# Allegro board R8-DEV-V1.0_FINAL.brd (continued)
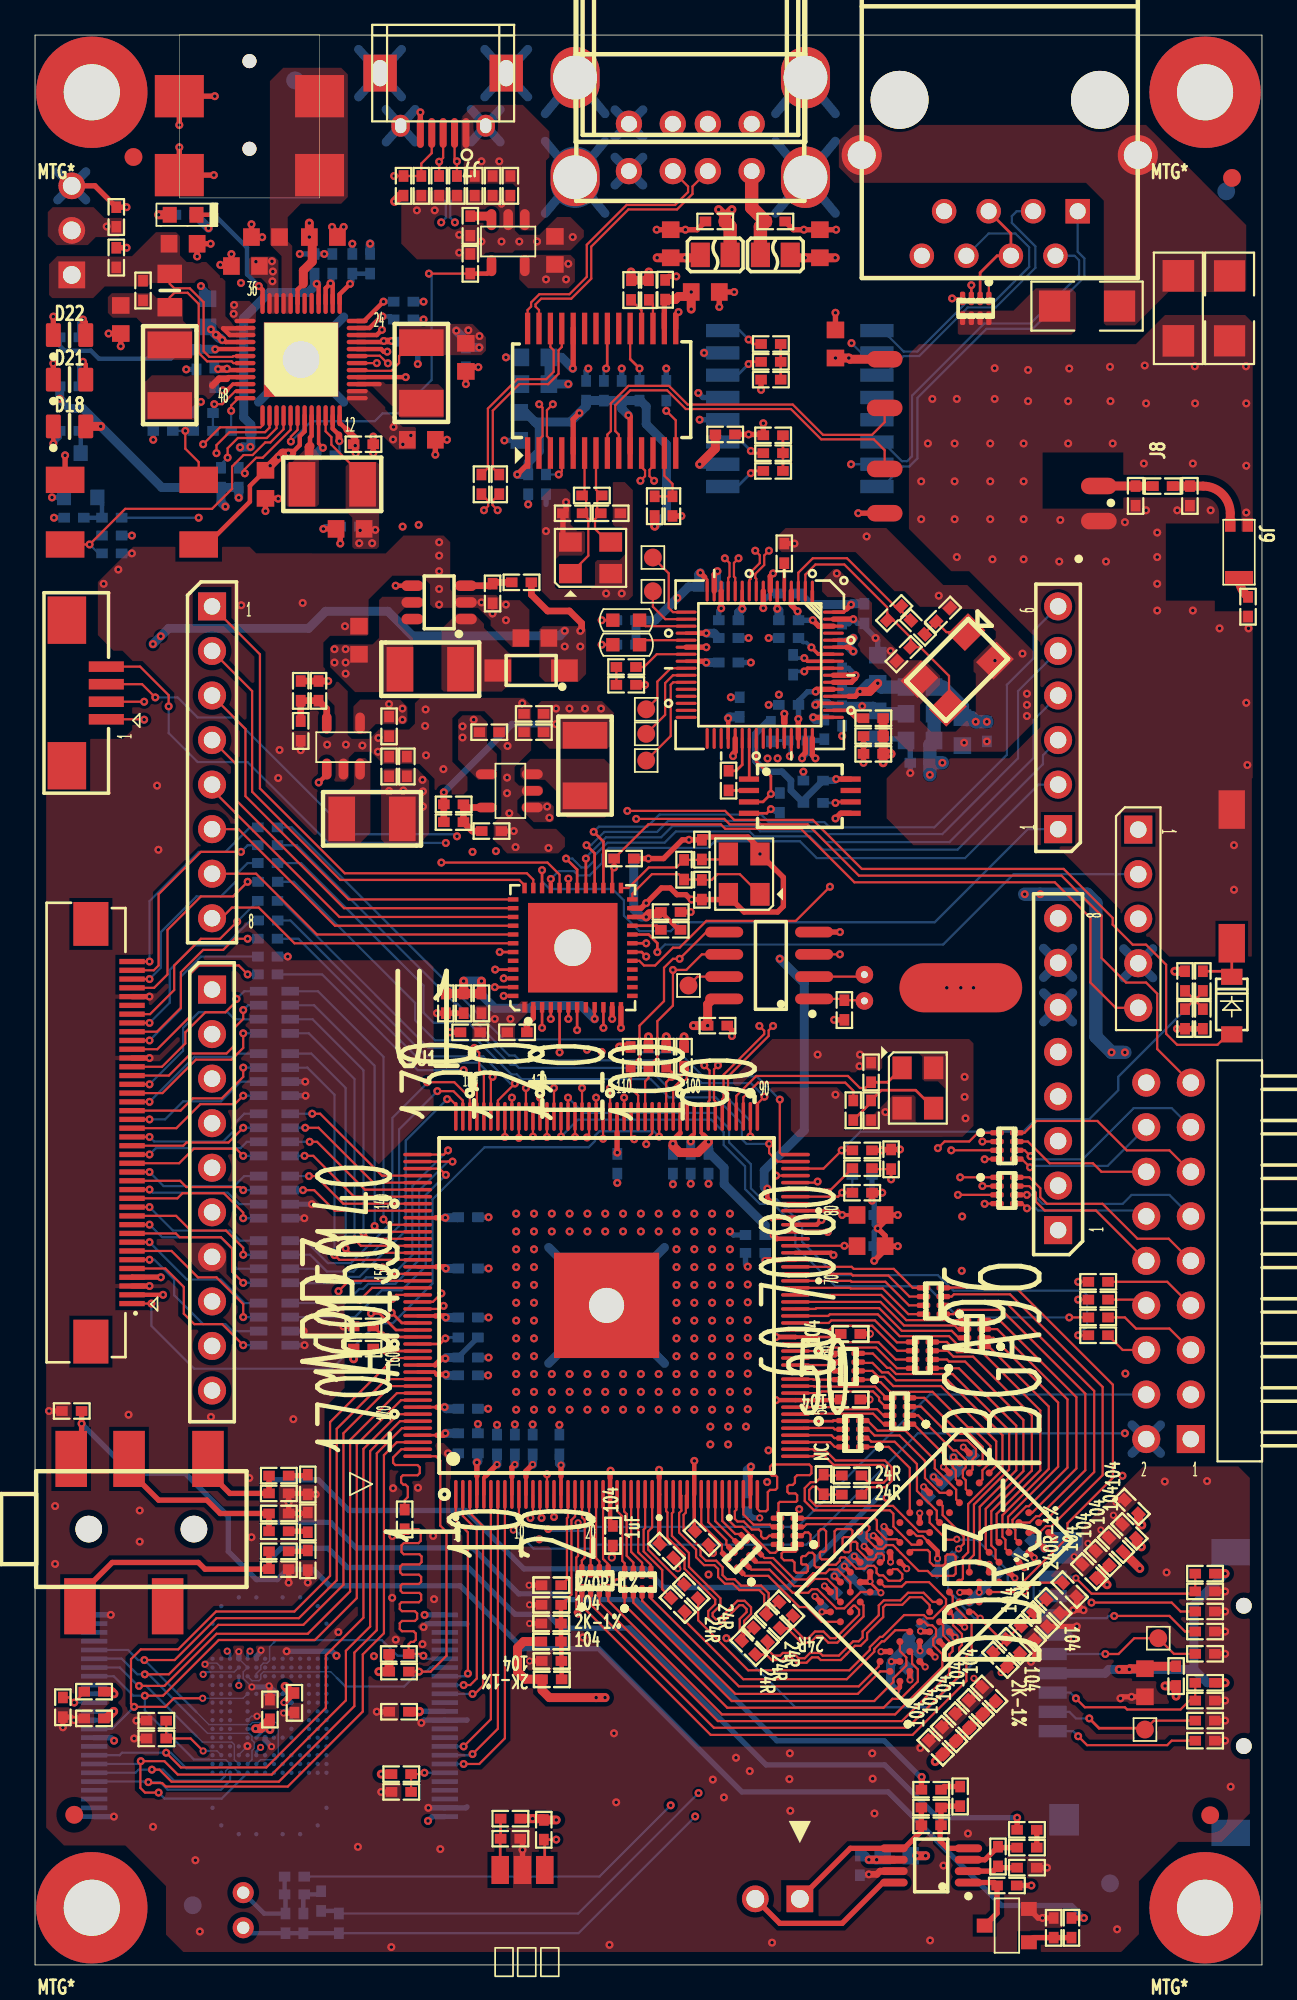
[diagram p0: board, top side]
## Placement (name value [footprint] x y rotation side) (continued)
U33  AXP209  [QFN48]  15.18 91.52 90 top
U34  AP3410/SY8088  [SOT23-5]  17.59 69.43 90 top
U35  SY7152  [SOT23-6]  23.05 77.68 90 top
U36  NAND FLASH X8  [TSOP-48]  13.37 14.21 180 bottom
U37  eMMC-BGA169  [BGA169P0_5B12X16]  13.37 14.21 0 bottom
U38  SY6280  [SOT23-5]  26.99 98.25 270 top
U39  GL850AUSB  [I-SSOP28-0_65A]  32.32 89.75 0 top
U40  IR_MODULE  [IR]  33.08 2.24 180 top
U41  AX88772C or AX88772B  [LQFP64_7X7]  41.34 74.12 270 top
U42  93C66  [TSSOP_8]  43.62 66.63 270 top
U43  MKL16  [QFN48_MKL16]  30.67 58 90 top
U44  LM4890  [MSOP8]  51.12 5.67 90 top
X1  32768  [XCOL-3]  47.31 55.71 270 top
X2  24M-20pF-10PPM  [CRY-D3225]  50.35 49.99 270 top
X3  12M-20pF-10PPM  [CRY-D3225]  31.69 80.22 0 top
X4  12M-20pF-10PPM  [CRY-D3225]  40.45 62.19 90 top
Y1  25M CRYSTAL  [XTAL-5X3_2]  52.6 73.83 225 top

## Library data of the parts
C33-C36 C81 C83 = CAPACITOR_0: signal model: DEFAULT_RESISTOR_224OHM_2_1
C49 C187 C190-C204 C206-C219 C221-C224 C226-C241 C244-C250 C258 C260 C268 C305 C308 C310-C321 EC3 EC4 = CAPACITOR_0
C82 C84-C89 C95 C96 C98-C101 = CAP_0: signal model: DEFAULT_RESISTOR_224OHM_2_1
C90-C94 C102-C106 = CAP_0
C97 = CAP_0: signal model: DEFAULT_RESISTOR_104OHM_2_1
C109 = CAPACITOR_0: signal model: CAPACITOR_0_C0402_NC_NC
C142 = CAPACITOR_0: signal model: DEFAULT_CAPACITOR_4.7e+06pF_2_1
C148 C188 C189 = CAPACITOR_0: signal model: DEFAULT_RESISTOR_104OHM_2_1
C177 C178 = CAPACITOR_0: signal model: DEFAULT_CAPACITOR_1e+07pF_2_1
C179-C186 = CAPACITOR_0: signal model: DEFAULT_CAPACITOR_1e+06pF_2_1
C205 C251 C252 C263 C270 C271 EC1 EC2 = CAPACITOR
C220 C225 = CAPACITOR_1
C242 C243 = CAPACITOR_0: room: NAND
C253 C255 C256 C261 C262 C269 C272-C276 C279-C304 C306 C307 = CAP
C254 C257 C259 = CAPACITOR_0: room: TFCARD&USB&KEY
C264 C266 C267 = CAPACITOR_0: room: SDIOWIFI
C265 = CAP NP_1
C277 C278 = CAP_POL
C309 = CAPACITOR_0: room: MODEM
CON1 = SPEAKER
D1 = LED_0: room: MODEM
D2 = DIODE_SCHOTTKY_0: Tolerance: RichardLC
D3-D15 D20 D23-D26 = 1_1.5KE100A
D16 D17 = LED
D18 D21 D22 = LED_0: User Part Number: LED0805; Tolerance: RichardLC; room: MODEM
D19 = D_0
FB1 FB2 = INDUCTOR_2
J1 = CON3
J2 = CN_2
J3 = RGB_LCD_RTP_CON40
J4 = HEADER 9X2
J5 = SDMMC SLOT_11
J6 = CON4
J7 = USB_MINI_SOCKET
J8 = MINI USB-B_5
J9 = CON3_0
J10 = HEADER 2
J11 = CON10
J12 J15 = CON8
J13 = CON6
J14 = CON5
J16 = HP_JACK_6
L1 L5 = INDUCTOR_0
L2-L4 L6 = INDUCTOR_1
L7 L8 = FB
LB1 LB2 = FB-0805
MIC1 = Micphone
P1 = USB_A_3
Q1 = NPN: room: MODEM
Q2 = NPN
R65 R68 R72-R77 = R1 0805: signal model: DEFAULT_RESISTOR_24OHM_2_1
R71 R181 R182 = R1 0805
R86 R90 = ?_0: signal model: DEFAULT_RESISTOR_20OHM_2_1
R89 R91 = R1 0805: signal model: DEFAULT_RESISTOR_20OHM_2_1
R94 = R: signal model: DEFAULT_RESISTOR_2.4OHM_2_1
R95-R106 R108-R120 R124 R125 R131-R134 R136 R138 R140 R142-R147 R153 R154 R156-R177 R179 R180 R183 R187-R198 = R
R121 = R: signal model: DEFAULT_RESISTOR_2000OHM_2_1
R122 R123 = R: signal model: DEFAULT_RESISTOR_0.001OHM_2_1
R126 = R: signal model: DEFAULT_RESISTOR_2200OHM_2_1
R127-R129 = RESISTOR_0: signal model: DEFAULT_RESISTOR_2200OHM_2_1
R130 R135 R137 R139 R141 = RESISTOR_0
R148 R149 = R: room: TFCARD&USB&KEY
R150-R152 R155 = RESISTOR
R178 R184-R186 = RESISTOR: room: MODEM
RN1 RN3-RN6 RN15-RN19 = R-PACK4_1: signal model: R_PACK4_1_RCA50-33R_4
RN20 RN22 = R-PACK4_1
RN21 RN23-RN27 = R-PACK4_1: User Part Number: pn; Tolerance: RichardLC
RN28 = RN
SW1-SW3 = KEY-2PIN_0: User Part Number: KEY-2
T1 = H1102NL
T2 = RJ-45
TP1-TP8 = T_POINT_R
U1 = eLQFP176_0: Tolerance: RichardLC; signal model: AW_DRAM_CONTROLLER
U29 = DDR3_0: Tolerance: RichardLC; signal model: H5TQ2G63BFR
U31 = PCF8563: User Part Number: pn; Tolerance: RichardLC
U32 U34 = RT9293B_0
U33 = AW1612_0
U35 = RT9266PE_3: Tolerance: RichardLC
U36 = NAND_FLASH_X8
U37 = eMMC-BGA169: User Part Number: pn; Tolerance: RichardLC
U38 = RT9266PE_2
U39 = GL850_SSOP28
U40 = IR_Module_0
U41 = AX88772B_LQFP64
U42 = 93c66_0
U43 = MKL16_QFN48
U44 = LY8006: User Part Number: pn; Tolerance: RichardLC
X1 = CRYSTAL_SMD3: Tolerance: RichardLC
X2 = CRYSTAL-4_3
X3 X4 = CRYSTAL-4_0
Y1 = CRYSTAL4/SM

## Footprints (pads in the part's own frame, mm; a bottom-side part is the same pattern mirrored in y, then rotated)
ANTENNAPACKAGE
  rect 0.762x0.6 smd: 1(0,0) 2(0,1)
  rect 0.762x1.6 smd: 3(3,0.5)
BGA169P0_5B12X16
  round 0.25 smd: A4(-1.75,6.75) A6(-0.75,6.75) A9(0.75,6.75) A11(1.75,6.75) AA1(-3.25,-3.25) AA2(-2.75,-3.25) AA3(-2.25,-3.25) AA4(-1.75,-3.25) AA5(-1.25,-3.25) AA6(-0.75,-3.25) AA7(-0.25,-3.25) AA8(0.25,-3.25) AA9(0.75,-3.25) AA10(1.25,-3.25) AA11(1.75,-3.25) AA12(2.25,-3.25) AA13(2.75,-3.25) AA14(3.25,-3.25) AE1(-3.25,-5.25) AE14(3.25,-5.25) AG2(-2.75,-6.25) AG13(2.75,-6.25) AH4(-1.75,-6.75) AH6(-0.75,-6.75) AH9(0.75,-6.75) AH11(1.75,-6.75) B2(-2.75,6.25) B13(2.75,6.25) D1(-3.25,5.25) D14(3.25,5.25) H1(-3.25,3.25) H2(-2.75,3.25) H3(-2.25,3.25) H4(-1.75,3.25) H5(-1.25,3.25) H6(-0.75,3.25) H7(-0.25,3.25) H8(0.25,3.25) H9(0.75,3.25) H10(1.25,3.25) H11(1.75,3.25) H12(2.25,3.25) H13(2.75,3.25) H14(3.25,3.25) J1(-3.25,2.75) J2(-2.75,2.75) J3(-2.25,2.75) J4(-1.75,2.75) J5(-1.25,2.75) J6(-0.75,2.75) J7(-0.25,2.75) J8(0.25,2.75) J9(0.75,2.75) J10(1.25,2.75) J11(1.75,2.75) J12(2.25,2.75) J13(2.75,2.75) J14(3.25,2.75) K1(-3.25,2.25) K2(-2.75,2.25) K3(-2.25,2.25) K4(-1.75,2.25) K5(-1.25,2.25) K6(-0.75,2.25) K7(-0.25,2.25) K8(0.25,2.25) K9(0.75,2.25) K10(1.25,2.25) K11(1.75,2.25) K12(2.25,2.25) K13(2.75,2.25) K14(3.25,2.25) L1(-3.25,1.75) L2(-2.75,1.75) L3(-2.25,1.75) L4(-1.75,1.75) L12(2.25,1.75) L13(2.75,1.75) L14(3.25,1.75) M1(-3.25,1.25) M2(-2.75,1.25) M3(-2.25,1.25) M5(-1.25,1.25) M6(-0.75,1.25) M7(-0.25,1.25) M8(0.25,1.25) M9(0.75,1.25) M10(1.25,1.25) M12(2.25,1.25) M13(2.75,1.25) M14(3.25,1.25) N1(-3.25,0.75) N2(-2.75,0.75) N3(-2.25,0.75) N5(-1.25,0.75) N10(1.25,0.75) N12(2.25,0.75) N13(2.75,0.75) N14(3.25,0.75) P1(-3.25,0.25) P2(-2.75,0.25) P3(-2.25,0.25) P5(-1.25,0.25) P10(1.25,0.25) P12(2.25,0.25) P13(2.75,0.25) P14(3.25,0.25) R1(-3.25,-0.25) R2(-2.75,-0.25) R3(-2.25,-0.25) R5(-1.25,-0.25) R10(1.25,-0.25) R12(2.25,-0.25) R13(2.75,-0.25) R14(3.25,-0.25) T1(-3.25,-0.75) T2(-2.75,-0.75) T3(-2.25,-0.75) T5(-1.25,-0.75) T10(1.25,-0.75) T12(2.25,-0.75) T13(2.75,-0.75) T14(3.25,-0.75) U1(-3.25,-1.25) U2(-2.75,-1.25) U3(-2.25,-1.25) U5(-1.25,-1.25) U6(-0.75,-1.25) U7(-0.25,-1.25) U8(0.25,-1.25) U9(0.75,-1.25) U10(1.25,-1.25) U12(2.25,-1.25) U13(2.75,-1.25) U14(3.25,-1.25) V1(-3.25,-1.75) V2(-2.75,-1.75) V3(-2.25,-1.75) V12(2.25,-1.75) V13(2.75,-1.75) V14(3.25,-1.75) W1(-3.25,-2.25) W2(-2.75,-2.25) W3(-2.25,-2.25) W4(-1.75,-2.25) W5(-1.25,-2.25) W6(-0.75,-2.25) W7(-0.25,-2.25) W8(0.25,-2.25) W9(0.75,-2.25) W10(1.25,-2.25) W11(1.75,-2.25) W12(2.25,-2.25) W13(2.75,-2.25) W14(3.25,-2.25) Y1(-3.25,-2.75) Y2(-2.75,-2.75) Y3(-2.25,-2.75) Y4(-1.75,-2.75) Y5(-1.25,-2.75) Y6(-0.75,-2.75) Y7(-0.25,-2.75) Y8(0.25,-2.75) Y9(0.75,-2.75) Y10(1.25,-2.75) Y11(1.75,-2.75) Y12(2.25,-2.75) Y13(2.75,-2.75) Y14(3.25,-2.75)
C0402
  rect 0.66x0.56 smd: 1(-0.56,0) 2(0.56,0)
C0603
  rect 0.95x1 smd: 1(-0.8,0) 2(0.8,0)
C1206
  rect 1.78x1.78 smd: 1(-1.854,0) 2(1.854,0)
CD32
  rect 1.524x2.54 smd: 1(-1.727,0) 2(1.727,0)
CON2
  rect 1.524x1.524 hole 1.016: 1(2.54,0)
  round 1.524 hole 1.016: 2(0,0)
CON3
  rect 1.524x1.524 hole 1.016: 1(5.08,0)
  round 1.524 hole 1.016: 2(2.54,0) 3(0,0)
CRY-D3225
  rect 1.3x1.1 smd: 1(-1.15,-0.9) 2(1.15,-0.9) 3(1.15,0.9) 4(-1.15,0.9)
DC-0509
  round 0.8 hole 0.8: 1(1.5,0) 2(6.5,0)
  rect 2.413x2.794 smd: 3(3.5,4) 4(8,4) 5(3.5,-4) 6(8,-4)
FBGA96C80P9X13
  round 0.4 smd: A1(-3.2,6) A2(-2.4,6) A3(-1.6,6) A7(1.6,6) A8(2.4,6) A9(3.2,6) B1(-3.2,5.2) B2(-2.4,5.2) B3(-1.6,5.2) B7(1.6,5.2) B8(2.4,5.2) B9(3.2,5.2) C1(-3.2,4.4) C2(-2.4,4.4) C3(-1.6,4.4) C7(1.6,4.4) C8(2.4,4.4) C9(3.2,4.4) D1(-3.2,3.6) D2(-2.4,3.6) D3(-1.6,3.6) D7(1.6,3.6) D8(2.4,3.6) D9(3.2,3.6) E1(-3.2,2.8) E2(-2.4,2.8) E3(-1.6,2.8) E7(1.6,2.8) E8(2.4,2.8) E9(3.2,2.8) F1(-3.2,2) F2(-2.4,2) F3(-1.6,2) F7(1.6,2) F8(2.4,2) F9(3.2,2) G1(-3.2,1.2) G2(-2.4,1.2) G3(-1.6,1.2) G7(1.6,1.2) G8(2.4,1.2) G9(3.2,1.2) H1(-3.2,0.4) H2(-2.4,0.4) H3(-1.6,0.4) H7(1.6,0.4) H8(2.4,0.4) H9(3.2,0.4) J1(-3.2,-0.4) J2(-2.4,-0.4) J3(-1.6,-0.4) J7(1.6,-0.4) J8(2.4,-0.4) J9(3.2,-0.4) K1(-3.2,-1.2) K2(-2.4,-1.2) K3(-1.6,-1.2) K7(1.6,-1.2) K8(2.4,-1.2) K9(3.2,-1.2) L1(-3.2,-2) L2(-2.4,-2) L3(-1.6,-2) L7(1.6,-2) L8(2.4,-2) L9(3.2,-2) M1(-3.2,-2.8) M2(-2.4,-2.8) M3(-1.6,-2.8) M7(1.6,-2.8) M8(2.4,-2.8) M9(3.2,-2.8) N1(-3.2,-3.6) N2(-2.4,-3.6) N3(-1.6,-3.6) N7(1.6,-3.6) N8(2.4,-3.6) N9(3.2,-3.6) P1(-3.2,-4.4) P2(-2.4,-4.4) P3(-1.6,-4.4) P7(1.6,-4.4) P8(2.4,-4.4) P9(3.2,-4.4) R1(-3.2,-5.2) R2(-2.4,-5.2) R3(-1.6,-5.2) R7(1.6,-5.2) R8(2.4,-5.2) R9(3.2,-5.2) T1(-3.2,-6) T2(-2.4,-6) T3(-1.6,-6) T7(1.6,-6) T8(2.4,-6) T9(3.2,-6)
FPC4
  rect 2.7x2.2 smd: (-4.15,-2.25) (4.15,-2.25)
  rect 0.6x2 smd: 1(1.5,0) 2(0.5,0) 3(-0.5,0) 4(-1.5,0)
FPC40
  rect 2.5x2 smd: (-11.919,-0.327) (11.895,-0.327)
  rect 0.3x1.45 smd: 1(-9.75,-2.675) 2(-9.25,-2.675) 3(-8.75,-2.675) 4(-8.25,-2.675) 5(-7.75,-2.675) 6(-7.25,-2.675) 7(-6.75,-2.675) 8(-6.25,-2.675) 9(-5.75,-2.675) 10(-5.25,-2.675) 11(-4.75,-2.675) 12(-4.25,-2.675) 13(-3.75,-2.675) 14(-3.25,-2.675) 15(-2.75,-2.675) 16(-2.25,-2.675) 17(-1.75,-2.675) 18(-1.25,-2.675) 19(-0.75,-2.675) 20(-0.25,-2.675) 21(0.25,-2.675) 22(0.75,-2.675) 23(1.25,-2.675) 24(1.75,-2.675) 25(2.25,-2.675) 26(2.75,-2.675) 27(3.25,-2.675) 28(3.75,-2.675) 29(4.25,-2.675) 30(4.75,-2.675) 31(5.25,-2.675) 32(5.75,-2.675) 33(6.25,-2.675) 34(6.75,-2.675) 35(7.25,-2.675) 36(7.75,-2.675) 37(8.25,-2.675) 38(8.75,-2.675) 39(9.25,-2.675) 40(9.75,-2.675)
GXK-12USB
  round 1.5 hole 0.9: 1(-3.5,0) 2(-3.5,-2.7) 3(-1,0) 4(-1,-2.7) 5(1,0) 6(1,-2.7) 7(3.5,0) 8(3.5,-2.7)
  oval 2.8x3.5 hole 2.5: 9(-6.57,0.35) 10(-6.57,-5.33) 12(6.57,-5.33)
  oval 2.8x3.3 hole 2.5: 11(6.57,0.35)
H1102NL
  rect 0.76x1.9 smd: 1(-4.445,-4.4) 2(-3.175,-4.4) 3(-1.905,-4.4) 4(-0.635,-4.4) 5(0.635,-4.4) 6(1.905,-4.4) 7(3.175,-4.4) 8(4.445,-4.4) 9(4.445,4.4) 10(3.175,4.4) 11(1.905,4.4) 12(0.635,4.4) 13(-0.635,4.4) 14(-1.905,4.4) 15(-3.175,4.4) 16(-4.445,4.4)
HEARD1X5
  rect 1.6x1.6 hole 0.94: 1(0,0)
  round 1.6 hole 0.94: 2(2.54,0) 3(5.08,0) 4(7.62,0) 5(10.16,0)
HEARD1X6
  rect 1.6x1.6 hole 0.94: 1(0,0)
  round 1.6 hole 0.94: 2(2.54,0) 3(5.08,0) 4(7.62,0) 5(10.16,0) 6(12.7,0)
HEARD1X8
  rect 1.6x1.6 hole 0.94: 1(0,0)
  round 1.6 hole 0.94: 2(2.54,0) 3(5.08,0) 4(7.62,0) 5(10.16,0) 6(12.7,0) 7(15.24,0) 8(17.78,0)
HEARD1X10
  rect 1.6x1.6 hole 0.94: 1(0,0)
  round 1.6 hole 0.94: 2(2.54,0) 3(5.08,0) 4(7.62,0) 5(10.16,0) 6(12.7,0) 7(15.24,0) 8(17.78,0) 9(20.32,0) 10(22.86,0)
HEARD2X9
  rect 1.6x1.6 hole 0.94: 1(0,0)
  round 1.6 hole 0.94: 2(0,-2.54) 3(-2.54,0) 4(-2.54,-2.54) 5(-5.08,0) 6(-5.08,-2.54) 7(-7.62,0) 8(-7.62,-2.54) 9(-10.16,0) 10(-10.16,-2.54) 11(-12.7,0) 12(-12.7,-2.54) 13(-15.24,0) 14(-15.24,-2.54) 15(-17.78,0) 16(-17.78,-2.54) 17(-20.32,0) 18(-20.32,-2.54)
I-SSOP28-0_65A
  rect 0.3x1.8 smd: 1(-4.225,-3.55) 2(-3.575,-3.55) 3(-2.925,-3.55) 4(-2.275,-3.55) 5(-1.625,-3.55) 6(-0.975,-3.55) 7(-0.325,-3.55) 8(0.325,-3.55) 9(0.975,-3.55) 10(1.625,-3.55) 11(2.275,-3.55) 12(2.925,-3.55) 13(3.575,-3.55) 14(4.225,-3.55) 15(4.225,3.55) 16(3.575,3.55) 17(2.925,3.55) 18(2.275,3.55) 19(1.625,3.55) 20(0.975,3.55) 21(0.325,3.55) 22(-0.325,3.55) 23(-0.975,3.55) 24(-1.625,3.55) 25(-2.275,3.55) 26(-2.925,3.55) 27(-3.575,3.55) 28(-4.225,3.55)
IR
  rect 1x1.6 smd: 1(4.01,-3.17) 2(5.28,-3.17) 3(6.55,-3.17)
KEY-2
  rect 1.501x2.2 smd: 1(0,8.255) 2(0,0.635)
L0603
  rect 0.95x1 smd: 1(-0.8,0) 2(0.8,0)
LBS-0805
  rect 1.092x1.397 smd: 1(-0.851,0) 2(0.851,0)
LED0603
  rect 0.8x0.9 smd: 1(-0.762,0) 2(0.762,0)
LED0805
  custom 0.85x1.35 smd: 1(0.925,0) 2(-0.925,0)
LQFP64_7X7
  oval 1.2x0.18 smd: 1(-4.2,3) 2(-4.2,2.6) 3(-4.2,2.2) 4(-4.2,1.8) 5(-4.2,1.4) 6(-4.2,1) 7(-4.2,0.6) 8(-4.2,0.2) 9(-4.2,-0.2) 10(-4.2,-0.6) 11(-4.2,-1) 12(-4.2,-1.4) 13(-4.2,-1.8) 14(-4.2,-2.2) 15(-4.2,-2.6) 16(-4.2,-3) 33(4.2,-3) 34(4.2,-2.6) 35(4.2,-2.2) 36(4.2,-1.8) 37(4.2,-1.4) 38(4.2,-1) 39(4.2,-0.6) 40(4.2,-0.2) 41(4.2,0.2) 42(4.2,0.6) 43(4.2,1) 44(4.2,1.4) 45(4.2,1.8) 46(4.2,2.2) 47(4.2,2.6) 48(4.2,3)
  oval 0.18x1.2 smd: 17(-3,-4.2) 18(-2.6,-4.2) 19(-2.2,-4.2) 20(-1.8,-4.2) 21(-1.4,-4.2) 22(-1,-4.2) 23(-0.6,-4.2) 24(-0.2,-4.2) 25(0.2,-4.2) 26(0.6,-4.2) 27(1,-4.2) 28(1.4,-4.2) 29(1.8,-4.2) 30(2.2,-4.2) 31(2.6,-4.2) 32(3,-4.2) 49(3,4.2) 50(2.6,4.2) 51(2.2,4.2) 52(1.8,4.2) 53(1.4,4.2) 54(1,4.2) 55(0.6,4.2) 56(0.2,4.2) 57(-0.2,4.2) 58(-0.6,4.2) 59(-1,4.2) 60(-1.4,4.2) 61(-1.8,4.2) 62(-2.2,4.2) 63(-2.6,4.2) 64(-3,4.2)
MIC_600X270
  round 1.2 hole 0.7: 1(1.75,0) 2(-0.25,0)
MICROSD_SLOT
  rect 1.501x2.2 smd: (-8,0.75) (8,0.75)
  round 0.9 hole 0.9 unplated: (-4.95,0) (3.05,0)
  rect 1.8x1.7 smd: (7.25,10.25) 10(-8.25,10)
  rect 0.7x1.6 smd: 1(2.2,10.9) 2(1.1,10.9) 3(0,10.9) 4(-1.1,10.9) 5(-2.2,10.9) 6(-3.3,10.9) 7(-4.4,10.9) 8(-5.5,10.9) 9(-6.6,10.9)
MSOP8
  oval 0.45x1.56 smd: 1(-0.975,-2.123) 2(-0.325,-2.123) 3(0.325,-2.123) 4(0.975,-2.123) 5(0.975,2.123) 6(0.325,2.123) 7(-0.325,2.123) 8(-0.975,2.123)
PJ327F
  round 1.52 hole 1.6 unplated: (3,0) (9,0)
  rect 1.8x3.2 smd: 1(2.5,-4.4) 2(5.3,4) 3(7.5,-4.4) 4(9.8,4) 5(2,4)
QFN48
  oval 1.2x0.25 smd: 1(-3.2,2.2) 2(-3.2,1.801) 3(-3.2,1.399) 4(-3.2,1.001) 5(-3.2,0.599) 6(-3.2,0.201) 7(-3.2,-0.201) 8(-3.2,-0.599) 9(-3.2,-1.001) 10(-3.2,-1.399) 11(-3.2,-1.801) 12(-3.2,-2.2) 25(3.2,-2.2) 26(3.2,-1.801) 27(3.2,-1.399) 28(3.2,-1.001) 29(3.2,-0.599) 30(3.2,-0.201) 31(3.2,0.201) 32(3.2,0.599) 33(3.2,1.001) 34(3.2,1.399) 35(3.2,1.801) 36(3.2,2.2)
  oval 0.25x1.2 smd: 13(-2.2,-3.2) 14(-1.801,-3.2) 15(-1.399,-3.2) 16(-1.001,-3.2) 17(-0.599,-3.2) 18(-0.201,-3.2) 19(0.201,-3.2) 20(0.599,-3.2) 21(1.001,-3.2) 22(1.399,-3.2) 23(1.801,-3.2) 24(2.2,-3.2) 37(2.2,3.2) 38(1.801,3.2) 39(1.399,3.2) 40(1.001,3.2) 41(0.599,3.2) 42(0.201,3.2) 43(-0.201,3.2) 44(-0.599,3.2) 45(-1.001,3.2) 46(-1.399,3.2) 47(-1.801,3.2) 48(-2.2,3.2)
  rect 4.25x4.25 hole 2.1: 49(0,0)
QFN48_MKL16
  rect 5.1x5.1 hole 2.1: (0,0)
  rect 0.6x0.25 smd: 1(-3.4,2.75) 2(-3.4,2.25) 3(-3.4,1.75) 4(-3.4,1.25) 5(-3.4,0.75) 6(-3.4,0.25) 7(-3.4,-0.25) 8(-3.4,-0.75) 9(-3.4,-1.25) 10(-3.4,-1.75) 11(-3.4,-2.25) 12(-3.4,-2.75) 25(3.4,-2.75) 26(3.4,-2.25) 27(3.4,-1.75) 28(3.4,-1.25) 29(3.4,-0.75) 30(3.4,-0.25) 31(3.4,0.25) 32(3.4,0.75) 33(3.4,1.25) 34(3.4,1.75) 35(3.4,2.25) 36(3.4,2.75)
  rect 0.25x0.6 smd: 13(-2.75,-3.4) 14(-2.25,-3.4) 15(-1.75,-3.4) 16(-1.25,-3.4) 17(-0.75,-3.4) 18(-0.25,-3.4) 19(0.25,-3.4) 20(0.75,-3.4) 21(1.25,-3.4) 22(1.75,-3.4) 23(2.25,-3.4) 24(2.75,-3.4) 37(2.75,3.4) 38(2.25,3.4) 39(1.75,3.4) 40(1.25,3.4) 41(0.75,3.4) 42(0.25,3.4) 43(-0.25,3.4) 44(-0.75,3.4) 45(-1.25,3.4) 46(-1.75,3.4) 47(-2.25,3.4) 48(-2.75,3.4)
R0402
  rect 0.66x0.56 smd: 1(-0.56,0) 2(0.56,0)
R0603
  rect 0.762x0.762 smd: 1(-0.762,0) 2(0.762,0)
R0805
  rect 1.05x1.4 smd: 1(-0.95,0) 2(0.95,0)
R1206
  rect 1.8x1.8 smd: 1(-1.854,0) 2(1.854,0)
RCA50-8
  custom 0.77x0.3 smd: 1(-0.565,0.75) 2(-0.565,0.25) 3(-0.565,-0.25) 4(-0.565,-0.75) 5(0.565,-0.75) 6(0.565,-0.25) 7(0.565,0.25) 8(0.565,0.75)
RCA80-8
  rect 1x0.5 smd: 1(-0.9,1.2) 2(-0.9,0.4) 3(-0.9,-0.4) 4(-0.9,-1.2) 5(0.9,-1.2) 6(0.9,-0.4) 7(0.9,0.4) 8(0.9,1.2)
RJ45-A
  round 3.302 hole 3.302 unplated: (-5.715,0) (5.715,0)
  rect 1.397x1.397 hole 0.914: 1(4.445,-6.35)
  round 1.397 hole 0.914: 2(3.175,-8.89) 3(1.905,-6.35) 4(0.635,-8.89) 5(-0.635,-6.35) 6(-1.905,-8.89) 7(-3.175,-6.35) 8(-4.445,-8.89)
  round 2.286 hole 1.6: 9(-7.875,-3.15) 10(7.875,-3.15)
SO8N
  oval 0.61x2.17 smd: 1(-1.905,-2.466) 2(-0.635,-2.466) 3(0.635,-2.466) 4(1.905,-2.466) 5(1.905,2.665) 6(0.635,2.665) 7(-0.635,2.665) 8(-1.905,2.665)
SOD123
  rect 1.524x1.27 smd: 1(4.399,0.201) 2(0.599,0.201)
SOD-123
  rect 0.92x1.22 smd: 1(-1.64,0) 2(1.64,0)
SOP6P2_00B12_96X_22
  oval 0.94x2.032 smd: 1(-2.026,-6.108) 2(-4.026,-6.108) 3(-1.055,6.109) 4(2.423,6.109) 5(5.201,6.109) 6(-3.577,6.109)
SOT23-5
  oval 1.2x0.55 smd: 1(-1.247,0.95) 2(-1.247,0) 3(-1.247,-0.95) 4(1.374,-0.95) 5(1.374,0.95)
SOT23-6
  oval 0.6x1.25 smd: 1(-0.95,-1.524) 2(0,-1.524) 3(0.95,-1.524) 4(0.95,1.524) 5(0,1.524) 6(-0.95,1.524)
SOT-23
  rect 0.9x0.8 smd: 1(-1.255,0.95) 2(-1.255,-0.95) 3(1.27,0)
TP_SMD
  round 1.016 smd: 1(0,0)
TQFP177P0_4
  oval 1.65x0.2 smd: 1(-10.775,8.6) 2(-10.775,8.2) 3(-10.775,7.8) 4(-10.775,7.4) 5(-10.775,7) 6(-10.775,6.6) 7(-10.775,6.2) 8(-10.775,5.8) 9(-10.775,5.4) 10(-10.775,5) 11(-10.775,4.6) 12(-10.775,4.2) 13(-10.775,3.8) 14(-10.775,3.4) 15(-10.775,3) 16(-10.775,2.6) 17(-10.775,2.2) 18(-10.775,1.8) 19(-10.775,1.4) 20(-10.775,1) 21(-10.775,0.6) 22(-10.775,0.2) 23(-10.775,-0.2) 24(-10.775,-0.6) 25(-10.775,-1) 26(-10.775,-1.4) 27(-10.775,-1.8) 28(-10.775,-2.2) 29(-10.775,-2.6) 30(-10.775,-3) 31(-10.775,-3.4) 32(-10.775,-3.8) 33(-10.775,-4.2) 34(-10.775,-4.6) 35(-10.775,-5) 36(-10.775,-5.4) 37(-10.775,-5.8) 38(-10.775,-6.2) 39(-10.775,-6.6) 40(-10.775,-7) 41(-10.775,-7.4) 42(-10.775,-7.8) 43(-10.775,-8.2) 44(-10.775,-8.6) 89(10.775,-8.6) 90(10.775,-8.2) 91(10.775,-7.8) 92(10.775,-7.4) 93(10.775,-7) 94(10.775,-6.6) 95(10.775,-6.2) 96(10.775,-5.8) 97(10.775,-5.4) 98(10.775,-5) 99(10.775,-4.6) 100(10.775,-4.2) 101(10.775,-3.8) 102(10.775,-3.4) 103(10.775,-3) 104(10.775,-2.6) 105(10.775,-2.2) 106(10.775,-1.8) 107(10.775,-1.4) 108(10.775,-1) 109(10.775,-0.6) 110(10.775,-0.2) 111(10.775,0.2) 112(10.775,0.6) 113(10.775,1) 114(10.775,1.4) 115(10.775,1.8) 116(10.775,2.2) 117(10.775,2.6) 118(10.775,3) 119(10.775,3.4) 120(10.775,3.8) 121(10.775,4.2) 122(10.775,4.6) 123(10.775,5) 124(10.775,5.4) 125(10.775,5.8) 126(10.775,6.2) 127(10.775,6.6) 128(10.775,7) 129(10.775,7.4) 130(10.775,7.8) 131(10.775,8.2) 132(10.775,8.6)
  oval 0.2x1.65 smd: 45(-8.6,-10.775) 46(-8.2,-10.775) 47(-7.8,-10.775) 48(-7.4,-10.775) 49(-7,-10.775) 50(-6.6,-10.775) 51(-6.2,-10.775) 52(-5.8,-10.775) 53(-5.4,-10.775) 54(-5,-10.775) 55(-4.6,-10.775) 56(-4.2,-10.775) 57(-3.8,-10.775) 58(-3.4,-10.775) 59(-3,-10.775) 60(-2.6,-10.775) 61(-2.2,-10.775) 62(-1.8,-10.775) 63(-1.4,-10.775) 64(-1,-10.775) 65(-0.6,-10.775) 66(-0.2,-10.775) 67(0.2,-10.775) 68(0.6,-10.775) 69(1,-10.775) 70(1.4,-10.775) 71(1.8,-10.775) 72(2.2,-10.775) 73(2.6,-10.775) 74(3,-10.775) 75(3.4,-10.775) 76(3.8,-10.775) 77(4.2,-10.775) 78(4.6,-10.775) 79(5,-10.775) 80(5.4,-10.775) 81(5.8,-10.775) 82(6.2,-10.775) 83(6.6,-10.775) 84(7,-10.775) 85(7.4,-10.775) 86(7.8,-10.775) 87(8.2,-10.775) 88(8.6,-10.775) 133(8.6,10.775) 134(8.2,10.775) 135(7.8,10.775) 136(7.4,10.775) 137(7,10.775) 138(6.6,10.775) 139(6.2,10.775) 140(5.8,10.775) 141(5.4,10.775) 142(5,10.775) 143(4.6,10.775) 144(4.2,10.775) 145(3.8,10.775) 146(3.4,10.775) 147(3,10.775) 148(2.6,10.775) 149(2.2,10.775) 150(1.8,10.775) 151(1.4,10.775) 152(1,10.775) 153(0.6,10.775) 154(0.2,10.775) 155(-0.2,10.775) 156(-0.6,10.775) 157(-1,10.775) 158(-1.4,10.775) 159(-1.8,10.775) 160(-2.2,10.775) 161(-2.6,10.775) 162(-3,10.775) 163(-3.4,10.775) 164(-3.8,10.775) 165(-4.2,10.775) 166(-4.6,10.775) 167(-5,10.775) 168(-5.4,10.775) 169(-5.8,10.775) 170(-6.2,10.775) 171(-6.6,10.775) 172(-7,10.775) 173(-7.4,10.775) 174(-7.8,10.775) 175(-8.2,10.775) 176(-8.6,10.775)
  rect 6x6 hole 2: 177(0,0)
TSOP-48
  rect 1.5x0.27 smd: 1(-10,5.75) 2(-10,5.25) 3(-10,4.75) 4(-10,4.25) 5(-10,3.75) 6(-10,3.25) 7(-10,2.75) 8(-10,2.25) 9(-10,1.75) 10(-10,1.25) 11(-10,0.75) 12(-10,0.25) 13(-10,-0.25) 14(-10,-0.75) 15(-10,-1.25) 16(-10,-1.75) 17(-10,-2.25) 18(-10,-2.75) 19(-10,-3.25) 20(-10,-3.75) 21(-10,-4.25) 22(-10,-4.75) 23(-10,-5.25) 24(-10,-5.75) 25(10,-5.75) 26(10,-5.25) 27(10,-4.75) 28(10,-4.25) 29(10,-3.75) 30(10,-3.25) 31(10,-2.75) 32(10,-2.25) 33(10,-1.75) 34(10,-1.25) 35(10,-0.75) 36(10,-0.25) 37(10,0.25) 38(10,0.75) 39(10,1.25) 40(10,1.75) 41(10,2.25) 42(10,2.75) 43(10,3.25) 44(10,3.75) 45(10,4.25) 46(10,4.75) 47(10,5.25) 48(10,5.75)
TSSOP_8
  rect 0.3x1.15 smd: 1(-0.975,-2.9) 2(-0.325,-2.9) 3(0.325,-2.9) 4(0.975,-2.9) 5(0.975,2.9) 6(0.325,2.9) 7(-0.325,2.9) 8(-0.975,2.9)
unnamed#2
  round 1.016 smd: 1(0,0)
unnamed#3
  round 6.35 hole 3.2: 1(0,0)
USB_MINI_AB
  oval 0.401x1.699 smd: 1(-1.301,3.414) 2(-0.65,3.414) 3(0,3.414) 4(0.65,3.414) 5(1.301,3.414)
  oval 1.049x1.25 hole 0.65x0.851: 6(2.426,3) 9(-2.426,3)
  rect 1.9x2.101 hole 0.831x1.501: 7(3.599,0) 8(-3.599,0)
XCOL-3
  round 1 hole 0.4: 1(-0.749,0) 2(0.749,0)
  oval 2.8x7 smd: 3(0,5.499)
XTAL-5X3_2
  rect 1.651x1.397 smd: 1(-1.9,-1.15) 2(1.9,-1.15) 3(1.9,1.15) 4(-1.9,1.15)

## Nets
A1V8: C280.2 C281.2 C297.2 C298.2 C299.2 L8.2 U41.1(VCC18A1) U41.11(VCC18A2) U41.64(VCC18A_PLL)
A3V3: C276.2 C277.1 C285.2 C288.2 C289.2 L7.1 T1.2(CTD) T1.7(CRD) U41.6(VCC3A3) U41.59(VCC33A_PLL) U41.60(VCC33A_H)
AVCC: C232.1 R181.1 U1.81(AVCC) U32.1(EN) U33.12(LDO2)
AVDD: C253.1 C255.1 C256.1 EC4.2 FB1.2 R151.2 R152.2 R156.2 U39.1(AVDD1) U39.5(AVDD2) U39.10(AVDD3)
D1V8: C278.1 C279.2 C293.2 C294.2 C295.2 C296.2 L8.1 U41.20(VCCK1) U41.24(VCCK2) U41.36(VCCK3) U41.49(VCCK4) U41.51(V18F)
DVDD: C187.2 C188.1 C189.2 C190.2 C191.2 C192.2 C222.1 C230.1 C231.1 C244.2 C245.2 C246.2 C247.2 C258.1 C259.2 C272.2 C283.2 C284.2 C286.2 C287.2 C302.2 C303.2 C304.2 D18.1(ANODE) EC3.2 FB1.1 J3.4(VCC) J4.1 J12.4 J14.3 L5.1 L7.2 R97.1 R98.1 R99.1 R100.1 R101.1 R102.1 R110.2 R111.2 R112.2 R118.2 R121.1 R124.1 R125.1 R126.1 R136.1 R144.2 R153.1 R154.1 R158.2 R159.1 R161.1 R166.1 R169.1 R170.2 R177.2 R178.1 R180.1 R183.2 U1.5(VCC1) U1.76(V33_HP) U1.97(V33_USB) U1.100(VCC2) U1.142(VCC3) U1.163(VCC4) U36.1(RES#) U36.12(VCC1) U36.24(NC9) U36.34(NC15) U36.37(VCC2) U36.39(NC17) U37.AA3(VDDQM4) U37.AA5(VDDQM5) U37.K6(VDDQM1) U37.M6(VDDM1) U37.N5(VDDM2) U37.T10(VDDM3) U37.U9(VDDM4) U37.W4(VDDQM2) U37.Y4(VDDQM3) U39.16(DVDD) U39.24(V33) U41.16(VCC3IO1) U41.44(VCC3IO2) U41.52(VCC3R3) U42.8(VCC) U43.1(VDD1) U43.22(VDD2)
GND: C33.1 C34.1 C35.1 C36.1 C49.2 C83.1 C84.2 C85.2 C86.2 C87.2 C88.2 C89.2 C90.2 C91.2 C92.2 C93.2 C94.2 C95.2 C96.2 C97.2 C98.2 C99.2 C100.2 C101.2 C102.2 C103.2 C104.2 C105.2 C106.2 C142.1 C148.1 C177.2 C179.1 C180.1 C181.1 C182.1 C183.1 C184.1 C185.1 C186.1 C187.1 C188.2 C189.1 C190.1 C191.1 C192.1 C193.1 C194.1 C195.1 C196.1 C197.1 C198.1 C199.1 C200.1 C201.1 C202.1 C203.1 C204.1 C205.1 C206.1 C207.1 C209.2 C210.1 C211.1 C213.2 C214.2 C215.2 C216.2 C217.2 C218.2 C219.2 C220.2 C221.2 C223.2 C224.2 C225.2 C226.2 C227.1 C228.2 C229.2 C230.2 C231.2 C232.2 C233.1 C234.1 C235.2 C236.2 C237.1 C238.2 C239.2 C240.1 C241.1 C242.1 C243.1 C244.1 C245.1 C246.1 C247.1 C248.1 C249.1 C250.2 C251.1 C252.1 C253.2 C254.1 C255.2 C256.2 C257.1 C258.2 C259.1 C260.1 C261.1 C262.1 C264.2 C265.2 C266.2 C267.2 C268.1 C270.1 C271.1 C272.1 C273.1 C274.1 C275.1 C276.1 C277.2 C278.2 C279.1 C280.1 C281.1 C282.2 C283.1 C284.1 C285.1 C286.1 C287.1 C288.1 C289.1 C290.1 C291.2 C293.1 C294.1 C295.1 C296.1 C297.1 C298.1 C299.1 C300.1 C301.1 C302.1 C303.1 C304.1 C305.1 C306.1 C307.1 C308.1 C309.1 C314.1 C316.1 C318.2 C319.2 C320.2 D3.1(ANODE) D4.2(CATHODE) D5.2(CATHODE) D6.2(CATHODE) D7.2(CATHODE) D8.2(CATHODE) D9.2(CATHODE) D10.2(CATHODE) D11.2(CATHODE) D12.2(CATHODE) D13.2(CATHODE) D14.2(CATHODE) D15.2(CATHODE) D20.2(CATHODE) D21.2(CATHODE) D22.2(CATHODE) D23.2(CATHODE) D24.2(CATHODE) D25.2(CATHODE) D26.2(CATHODE) EC1.2 EC2.2 EC3.1 EC4.1 J1.3 J2.5 J2.6 J3.3(GND1) J3.29(GND2) J3.36(GND3) J4.2 J5.6(VSS2) J5.10(GND) J7.5(GND) J7.6(SHIELD1) J7.7(SHIELD2) J7.8(SHIELD3) J7.9(SHIELD4) J8.2(GND-RF) J8.6(GND) J9.2 J11.7 J12.6 J12.7 J14.4 P1.7(GND1) P1.8(GND2) P1.9(SGND1) P1.10(SGND2) P1.11(SGND3) P1.12(SGND4) Q1.2(E) Q2.2(E) R71.1 R90.1 R91.1 R94.1 R95.1 R96.1 R104.1 R106.1 R109.1 R114.1 R119.1 R120.2 R123.2 R142.2 R146.1 R147.1 R150.1 R155.1 R162.1 R163.1 R164.1 R176.1 R196.2 RN21.3(R3) RN21.4(R4) RN24.3(R3) RN24.4(R4) RN26.3(R3) RN26.4(R4) SW1.1 SW3.2 T1.4(GND1) T1.5(GND2) U1.79(AGND) U1.177(GND) U29.A9(VSS#9) U29.B1(VSSQ#1) U29.B3(VSS#6) U29.B9(VSSQ#7) U29.D1(VSSQ#2) U29.D8(VSSQ#5) U29.E1(VSS#1) U29.E2(VSSQ#4) U29.E8(VSSQ#6) U29.F9(VSSQ#8) U29.G1(VSSQ#3) U29.G8(VSS#7) U29.G9(VSSQ#9) U29.J2(VSS#5) U29.J8(VSS#8) U29.L2(CS#) U29.M1(VSS#2) U29.M9(VSS#10) U29.P1(VSS#3) U29.P9(VSS#11) U29.T1(VSS#4) U29.T9(VSS#12) U31.4(GND) U32.2(GND) U33.9(PGND2) U33.16(PGND3) U33.22(AGND) U33.46(PGND1) U33.49(THERMAL) U34.2(GND) U35.2(GND) U36.2(NC2) U36.13(VSS1) U36.23(NC8) U36.25(NC10) U36.36(VSS2) U36.48(NC22) U37.AA4(VSSQM4) U37.AA6(VSSQM5) U37.K4(VSSQM1) U37.M7(VSSM1) U37.P5(VSSM2) U37.R10(VSSM3) U37.U8(VSSM4) U37.Y2(VSSQM2) U37.Y5(VSSQM3) U38.2(GND) U39.15(GND) U40.2(GND) U41.4(GND18A1) U41.7(SD) U41.8(GND18A2) U41.14(GND18A3) U41.15(GND1) U41.22(GND2) U41.37(GND3) U41.46(TEST1) U41.47(TEST0) U41.48(GND4) U41.53(GND3R3) U41.54(GND33A_PLL) U41.55(GND33A_H) U41.62(X1) U41.63(GND18A_PLL) U42.5(GND) U43.2(VSS1) U43.11(VREFL) U43.12(VSSA) U43.23(VSS2) U44.7(GND) X1.3 X2.2(GND#2) X2.4(GND#4) X3.2(GND1) X3.4(GND2) X4.2(GND1) X4.4(GND2) Y1.2 Y1.4
VBAT-EXT: C212.1 C217.1 L2.1 R108.2 U33.43(CHSENSE)
VCC-3V3A: C300.2 C301.2 R177.1 U43.9(VDDA)
VCC-5V: C239.1 C250.1 C270.2 C271.2 D2.2 EC1.1 EC2.1 J3.2(VLED+) J12.2 J12.5 LB1.1 LB2.1 R116.2 R160.1 U38.5(IN)
VCC-WIFI: C234.2 C237.2 C265.1 J8.5(VCC) R184.1 U33.11(LDO4) U33.41(LDO3)
VIN: J12.8
VINT: C229.1 U33.26(VINT) U33.27(LDO1SET)
A0: RN17.4(R4) U29.N3(A0)
A1: RN15.2(R2) U29.P7(A1)
A2: RN18.2(R2) U29.P3(A2)
A3: RN18.1(R1) U29.N2(A3)
A4: RN15.1(R1) U29.P8(A4)
A5: RN18.3(R3) U29.P2(A5)
A6: RN15.3(R3) U29.R8(A6)
A7: RN19.3(R3) U29.R2(A7)
A8: RN15.4(R4) U29.T8(A8)
A9: RN19.1(R1) U29.R3(A9)
A10: RN4.2(R2) U29.L7(A10)
A11: RN16.1(R1) U29.R7(A11)
A12: RN4.4(R4) U29.N7(A12)
A13: RN18.4(R4) U29.T3(A13)
A14: RN16.2(R2) U29.T7(A14)
ACIN-5V: C221.1 J2.3 J2.4 U33.32(ACIN1) U33.33(ACIN2)
AD0: J13.1 U43.34(PTC1)
AD1: J13.2 U43.33(PTC0)
AD2: J13.3 U43.30(PTB3)
AD3: J13.4 U43.29(PTB2)
AD4_SDA: J11.9 J13.5 U43.28(PTB1)
AD5_SCL: J11.10 J13.6 U43.27(PTB0)
ANT: C263.2 C266.1 J8.1(ANT)
AVERF: U43.10(VREFH)
AVREF: J11.8
BA0: RN17.3(R3) U29.M2(BA0)
BA1: RN4.3(R3) U29.N8(BA1)
BA2: RN17.2(R2) U29.M3(BA2)
BAT: C209.1 C211.2 C212.2 J1.1 R108.1 U33.38(BAT1) U33.39(BAT2) U33.42(BATSENSE)
CAS: RN16.4(R4) U29.K3(CAS#)
CHGLED: D1.2(CATHODE) U33.36(CHGLED/GPO)
CKE: RN4.1(R1) U29.K9(CKE)
CORE-VDD: C49.1 C177.1 C201.2 C202.2 C203.2 C224.1 C225.1 L4.2 U1.35(VDD1_INT) U1.73(VDD2_INT) U1.98(VDD3_INT) U1.109(VDD4_INT) U1.149(VDD5_INT) U33.17(DCDC3)
CPU-VDD: C193.2 C194.2 C195.2 C196.2 C197.2 C198.2 C199.2 C200.2 C219.1 C220.1 L3.2 U1.4(VDD1_CPU) U1.9(VDD2_CPU) U1.11(VDD3_CPU) U1.16(VDD4_CPU) U1.156(VDD5_CPU) U1.164(VDD6_CPU) U1.169(VDD7_CPU) U1.173(VDD8_CPU) U33.10(DCDC2)
CSI-D0: RN20.4(R4) U1.118(CSI_D0/SDC2_D0)
CSI-D1: RN20.3(R3) U1.119(CSI_D1/SDC2_D1)
CSI-D2: RN20.2(R2) U1.120(CSI_D2/SDC2_D2)
CSI-D3: RN20.1(R1) U1.121(CSI_D3/SDC2_D3)
CSI-D4: RN22.4(R4) U1.122(CSI_D4/SDC2_CMD)
CSI-D5: RN22.3(R3) U1.123(CSI_D5/SDC2_CLK)
CSI-D6: RN22.2(R2) U1.124(CSI_D6/UART1_TX)
CSI-D7: RN22.1(R1) U1.125(CSI_D7/URAT1_RX)
CSI-HSYNC: R128.1 U1.116(CSI_HSYNC/SPI2_MOSI)
CSI-MCLK: R130.2 U1.115(CSI_MCLK/SPI2_CLK/EINT15)
CSI-PCLK: R129.1 U1.114(CSI_PCLK/SPI2_CS0/EINT14)
CSI-RST: J4.17 R112.1 U33.3(GPIO3)
CSI-STY: J4.18 U1.10(PB10/EINT24)
CSI-VSYNC: R127.1 U1.117(CSI_VSYNC/SPI2_MISO)
D2: J4.16 RN20.5(R5)
D3: J4.15 RN20.6(R6)
D4: J4.14 RN20.7(R7)
D5: J4.13 RN20.8(R8)
D6: J4.12 RN22.5(R5)
D7: J4.11 RN22.6(R6)
D8: J4.10 RN22.7(R7)
D9: J4.9 RN22.8(R8)
DM0: R148.1 U39.25(DM0)
DP0: R149.1 U39.26(DP0)
DQ0: RN3.4(R4) U29.E3(DQL0)
DQ1: RN1.1(R1) U29.F7(DQL1)
DQ2: RN3.3(R3) U29.F2(DQL2)
DQ3: RN1.2(R2) U29.F8(DQL3)
DQ4: RN3.1(R1) U29.H3(DQL4)
DQ5: RN1.4(R4) U29.H8(DQL5)
DQ6: RN3.2(R2) U29.G2(DQL6)
DQ7: RN1.3(R3) U29.H7(DQL7)
DQ8: RN5.2(R2) U29.D7(DQU0)
DQ9: RN6.2(R2) U29.C3(DQU1)
DQ10: RN5.4(R4) U29.C8(DQU2)
DQ11: RN6.1(R1) U29.C2(DQU3)
DQ12: RN5.1(R1) U29.A7(DQU4)
DQ13: RN6.3(R3) U29.A2(DQU5)
DQ14: RN5.3(R3) U29.B8(DQU6)
DQ15: RN6.4(R4) U29.A3(DQU7)
DRAM-REF: C81.1 C83.2 C95.1 C96.1 R86.1 R90.2 U29.H1(VREFDQ) U29.M8(VREFCA)
DRAM-VCC: C33.2 C34.2 C35.2 C36.2 C81.2 C82.1 C85.1 C86.1 C87.1 C88.1 C89.1 C90.1 C91.1 C92.1 C93.1 C94.1 C97.1 C98.1 C99.1 C100.1 C101.1 C102.1 C103.1 C104.1 C105.1 C106.1 C142.2 C208.1 C215.1 C216.1 L1.1 R86.2 R89.2 R105.2 U1.23(VCC1_DRAM) U1.30(VCC2_DRAM) U1.43(VCC3_DRAM) U1.53(VCC4_DRAM) U1.62(VCC5_DRAM) U29.A1(VDDQ#1) U29.A8(VDDQ#6) U29.B2(VDD#3) U29.C1(VDDQ#2) U29.C9(VDDQ#9) U29.D2(VDDQ#4) U29.D9(VDD#7) U29.E9(VDDQ#8) U29.F1(VDDQ#3) U29.G7(VDD#5) U29.H2(VDDQ#5) U29.H9(VDDQ#7) U29.K2(VDD#4) U29.K8(VDD#6) U29.N1(VDD#1) U29.N9(VDD#8) U29.R1(VDD#2) U29.R9(VDD#9)
DSCK: C109.2 R65.1 U29.J7(CK)
DSCK-N: C109.1 R68.1 U29.K7(CK#)
ETH-DM: C269.1 U39.11(DM4) U41.57(DM)
ETH-DP: C269.2 U39.12(DP4) U41.56(DP)
ETH_CHASSIS_GND: C291.1 C292.1 R176.2 T2.9(E1) T2.10(E2)
EXTEN: U33.20(EXTEN) U34.1(EN) U35.4(EN)
HOST-DM1: P1.3(1D-) U39.27(DM1)
HOST-DM2: P1.4(2D-) U39.2(DM2)
HOST-DP1: P1.5(1D+) U39.28(DP1)
HOST-DP2: P1.6(2D+) U39.3(DP2)
HPBP: C183.2 C184.2 U1.75(HPBP)
HPCOM: C310.1 D26.1(ANODE) J16.1 R193.1 U1.77(HPCOM)
HPIN: D23.1(ANODE) J16.5 R192.1
HPL: D24.1(ANODE) J16.4 R195.1 U1.74(HPOUTL)
HPR: C321.1 D25.1(ANODE) J16.2 R194.1 U1.78(HPOUTR)
HSYNC: J4.6 R128.2
IF-IO0: R111.1 U33.5(GPIO2) U43.31(PTB16)
IF-IO1: U1.154(PG1/EINT1) U43.32(PTB17)
IF-MISO: U1.15(PG12/SPI1_MISO/UART3_RTS/EINT12) U43.48(PTD7)
IF-MOSI: U1.14(PG11/SPI1_MOSI/UART3_CTS/EINT11) U43.47(PTD6)
IF-SCK: U1.13(PG10/SPI1_CLK/UART3_RX/EINT10) U43.46(PTD5)
IF-SS: U1.12(PG9/SPI1_CS0/UART3_TX/EINT9) U43.45(PTD4)
IO0: J15.1 U43.35(PTC2)
IO1: J15.2 U43.36(PTC3)
IO2: J15.3 U43.37(PTC4)
IO3: J15.4 U43.38(PTC5)
IO4: J15.5 U43.39(PTC6)
IO5: J15.6 U43.40(PTC7)
IO6: J15.7 U43.41(PTD0)
IO7: J15.8 U43.42(PTD1)
IO8: J11.1 U43.19(PTA2)
IO9: J11.2 U43.18(PTA1)
IPSOUT: C210.2 C213.1 C214.1 C218.1 C226.1 C228.1 C235.1 C236.1 C238.1 FB2.2 L6.1 R113.1 SW2.2 U32.4(IN) U33.7(VIN2) U33.13(LDO24IN) U33.14(VIN3) U33.21(APS) U33.34(PS1) U33.35(PS2) U33.40(LDO3IN) U33.44(VIN1) U34.4(IN) U35.5(IN)
IR-RX: R159.2 U1.104(PB4/EINT18) U40.1(OUT)
